# Altium PCB controller_V1.3.1.PcbDoc (part 1 of 7)
Units mm, origin at the board's own origin, x right, y up, seen from the top; angles counter-clockwise.
Board outline 244 x 150 mm, 2 copper layers (Top Layer, Bottom Layer), stack 1.98 mm thick; 438 components, 367 nets, 1493 pads, 9629 vias.
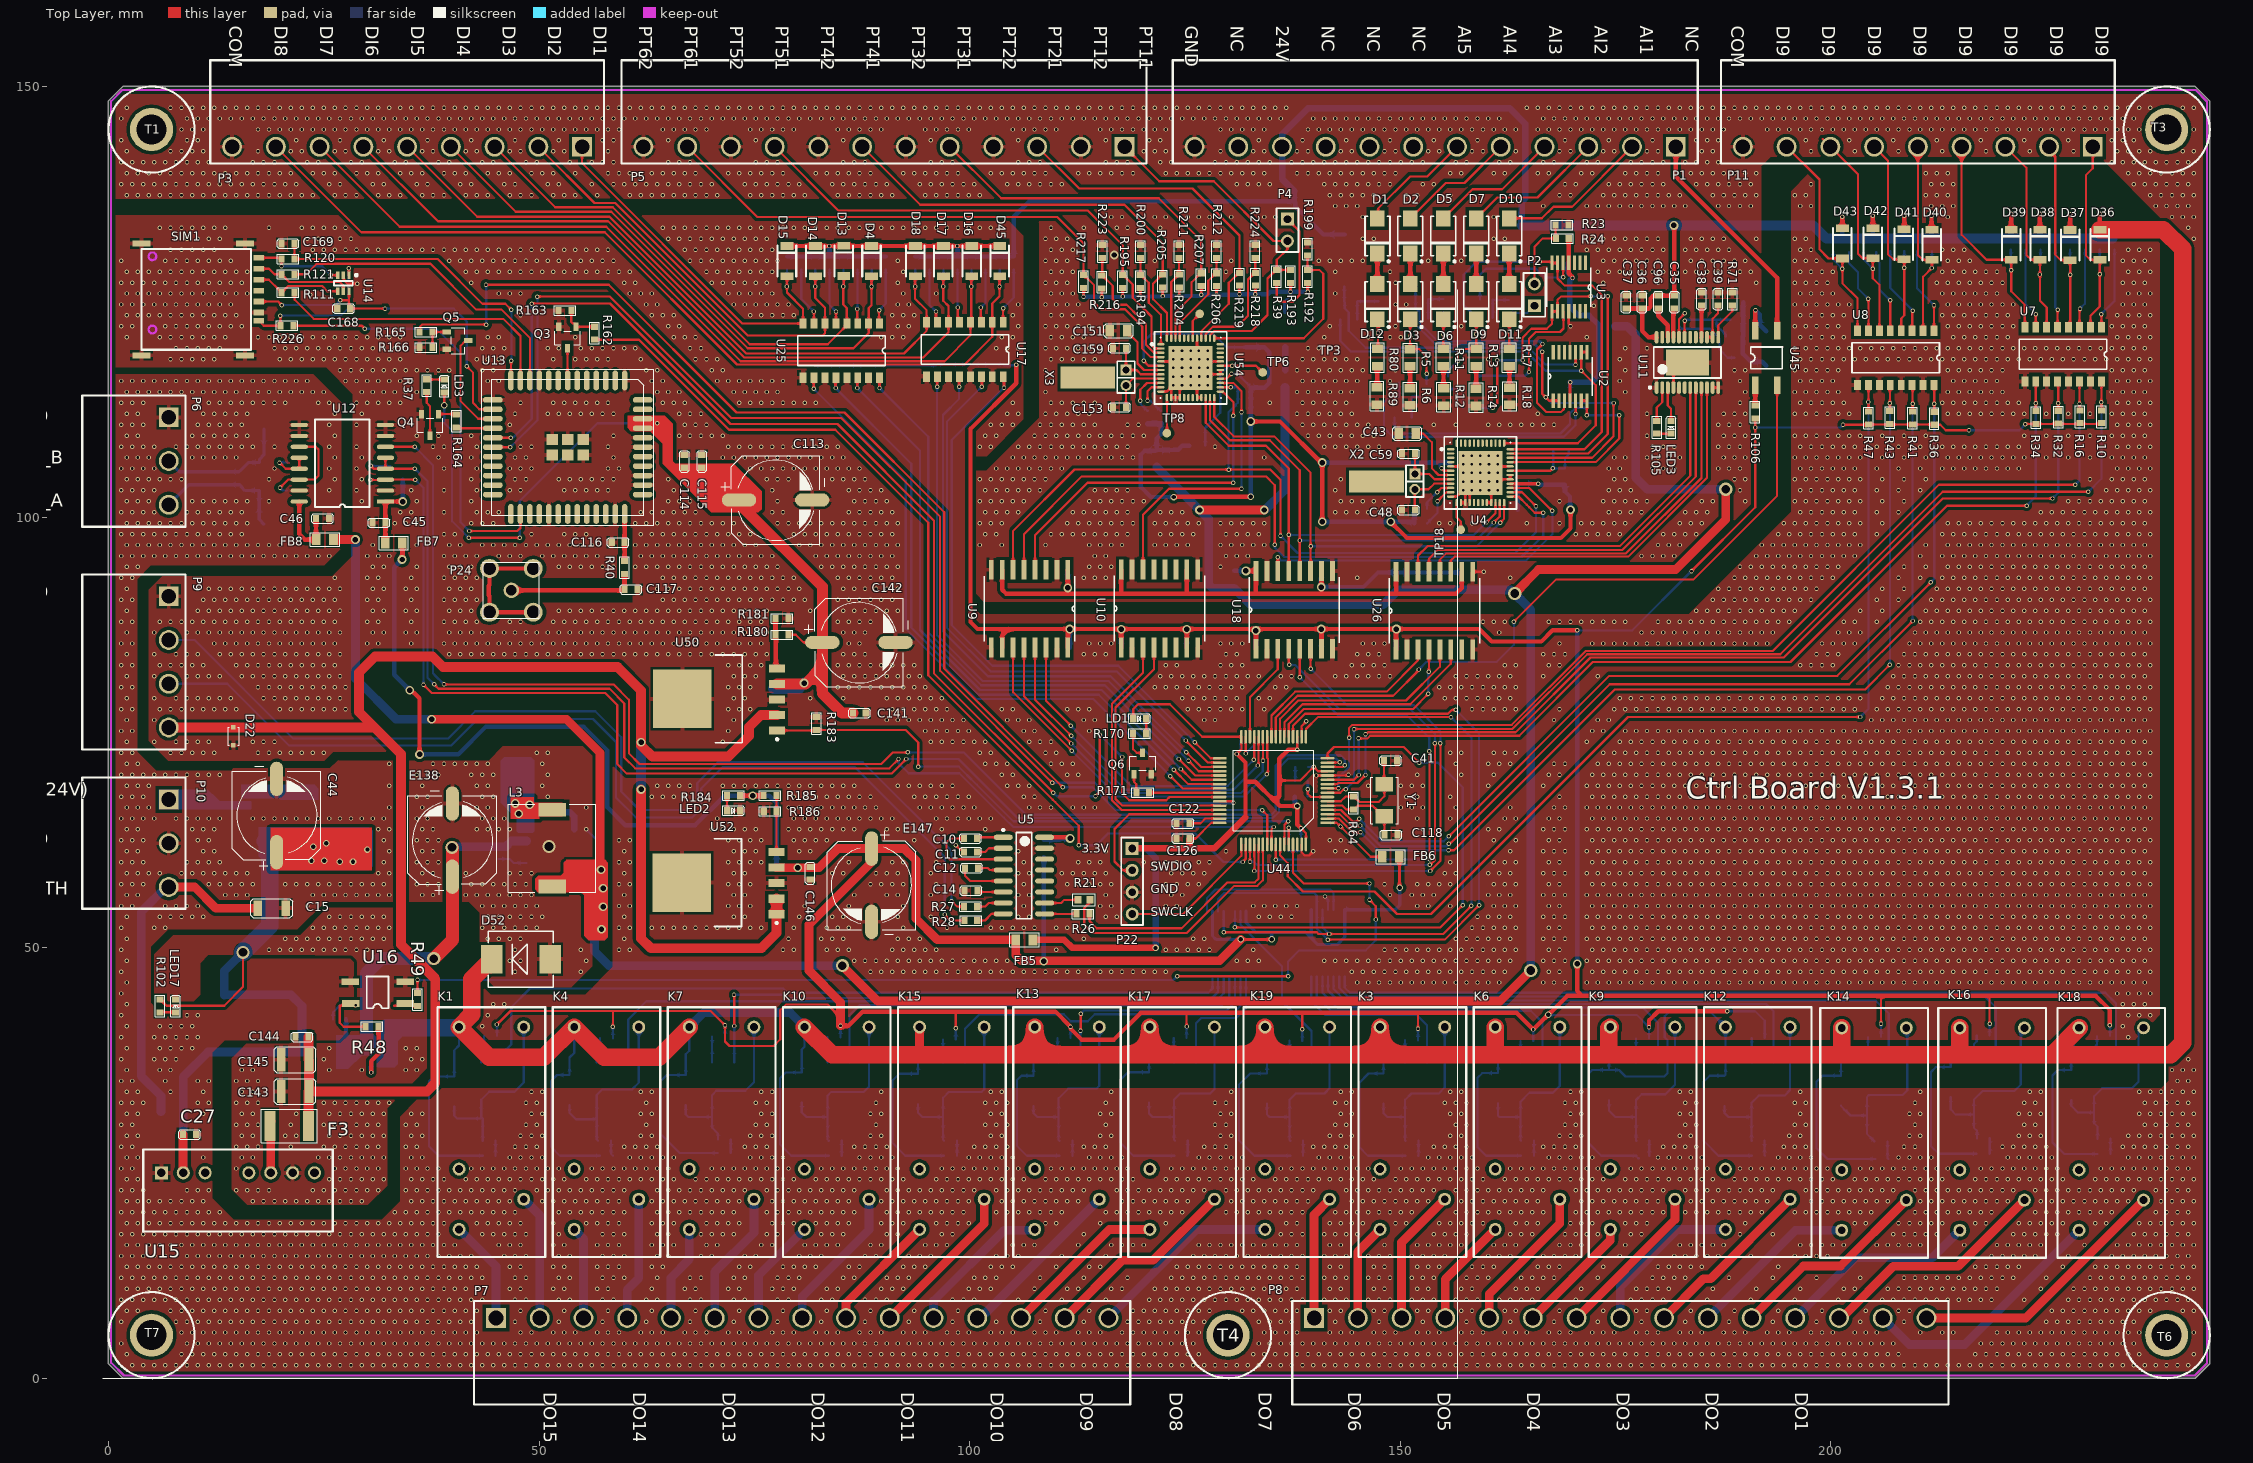
[diagram p0: Top Layer view]
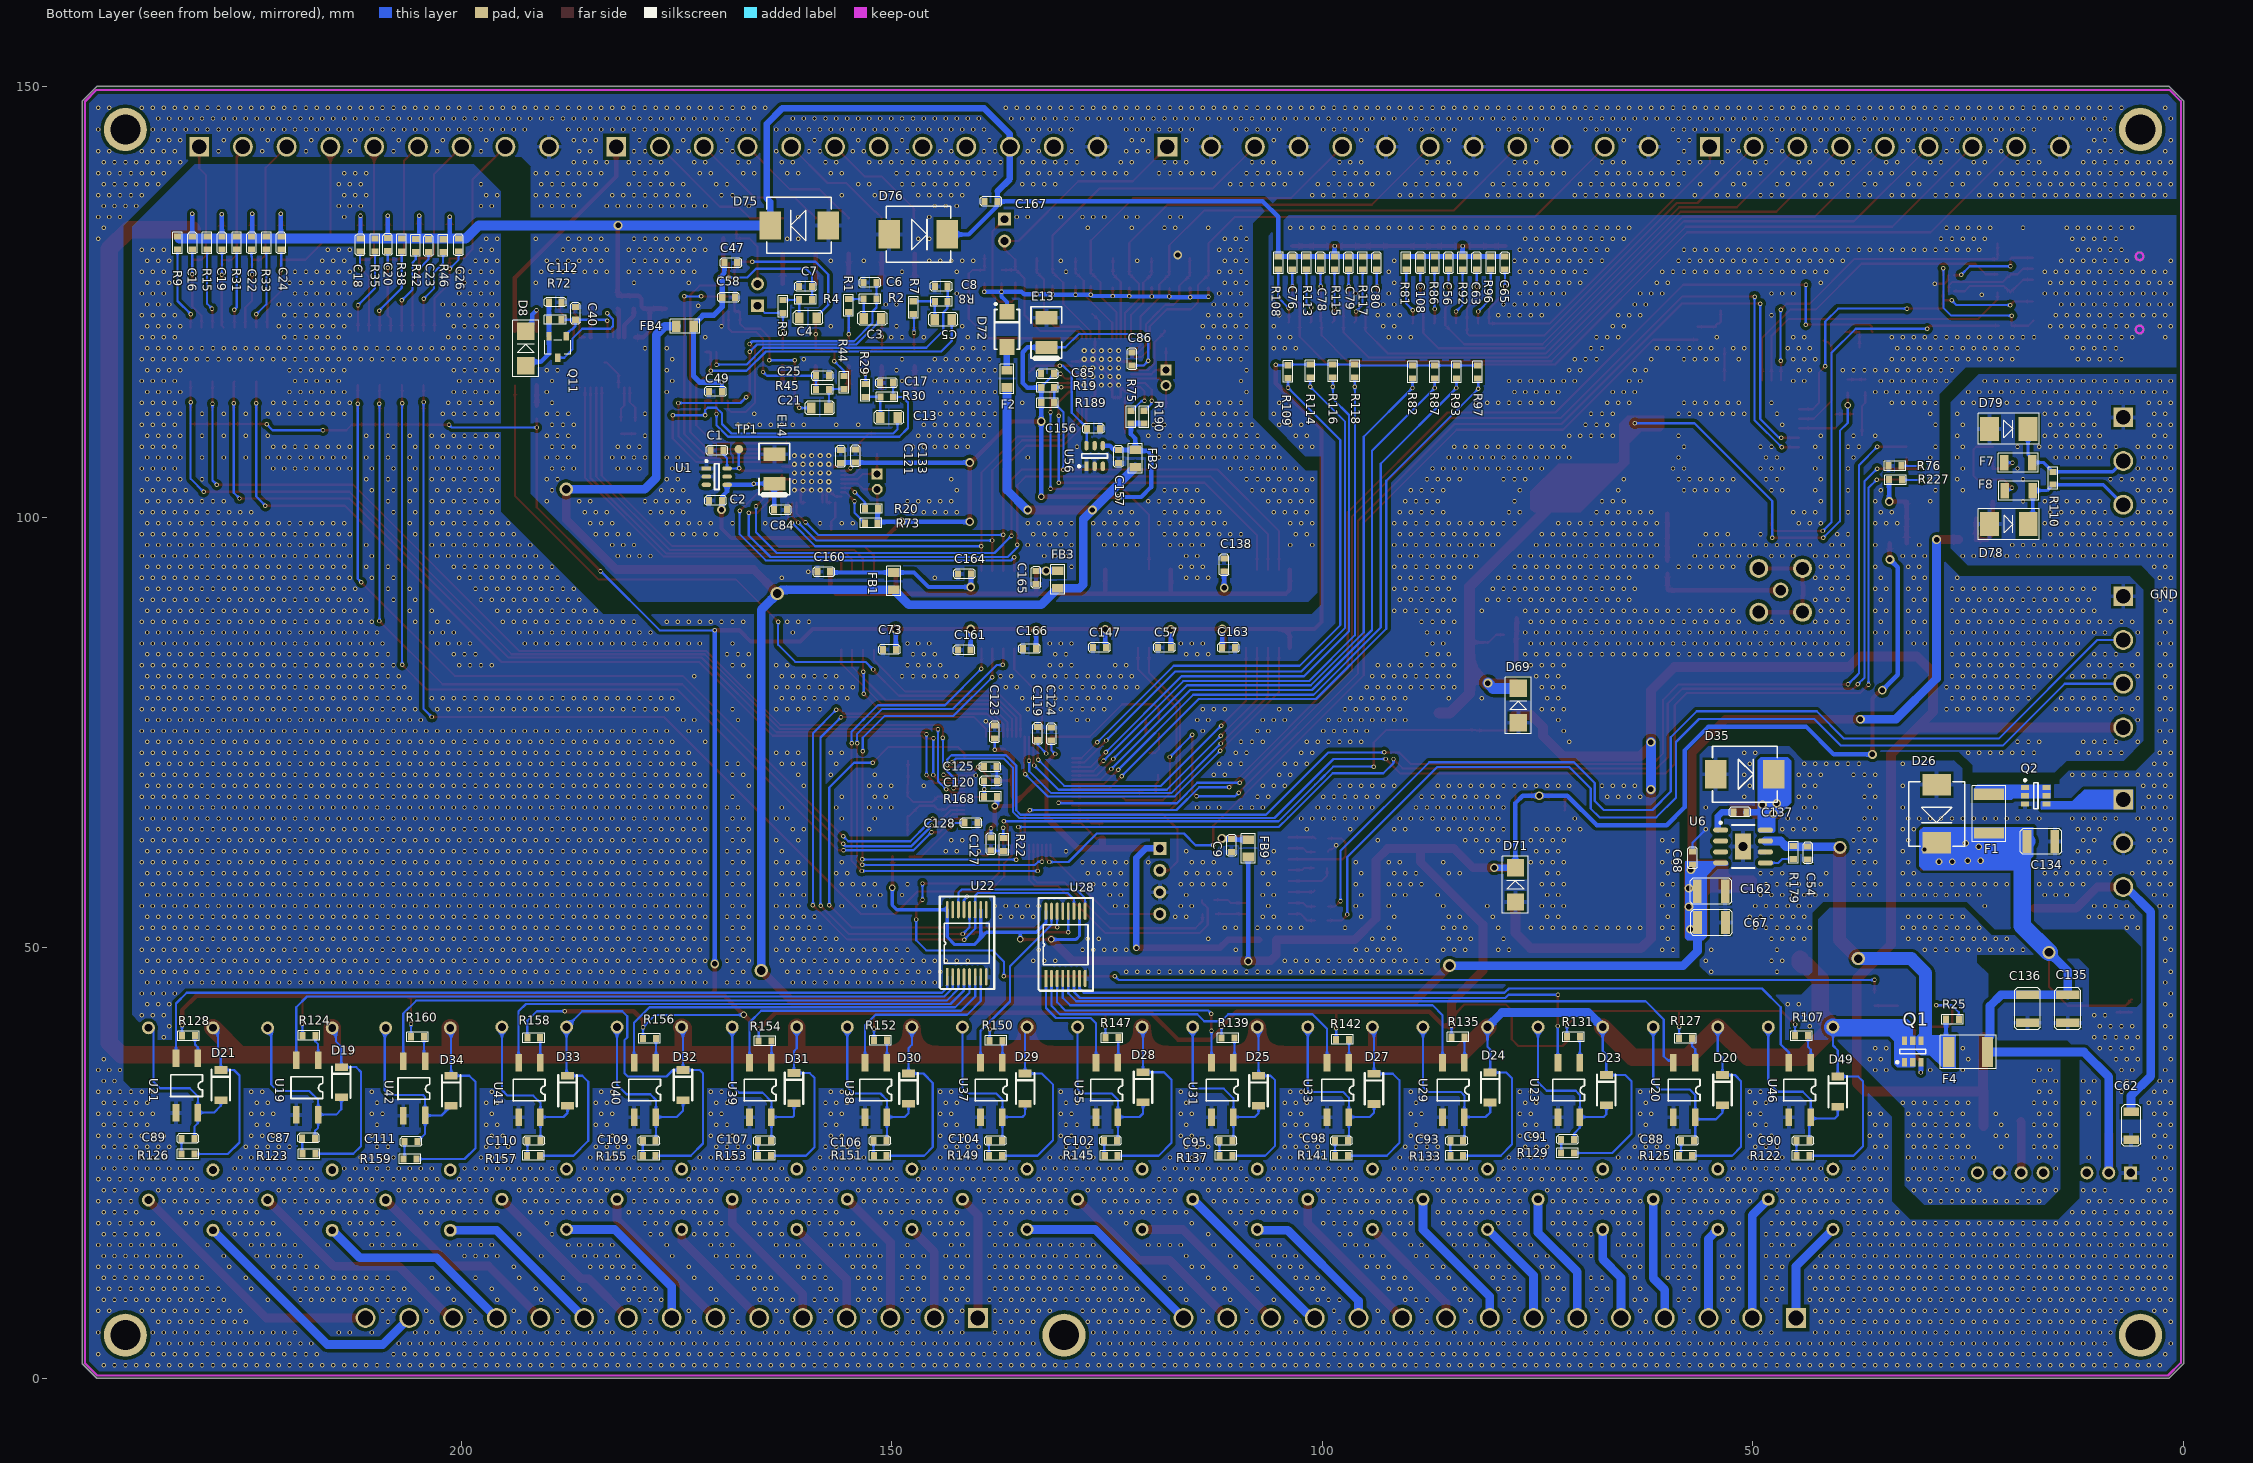
[diagram p1: Bottom Layer view, seen from below]

## Layer stack, top to bottom
Top Solder: solder mask 0.0102, Solder Resist, Dk 3.5
Top Layer: signal copper 0.0356
Dielectric1: prepreg 1.9086, FR-4, Dk 4.8
Bottom Layer: signal copper 0.0356
Bottom Solder: solder mask 0.0102, Solder Resist, Dk 3.5

## Board outline
0,1.676 0,148.336 1.664,150 242.328,150 244,148.328 244,1.684 242.316,0 1.676,0

## Design rules (kind name [scope] priority, off if disabled: settings)
Clearance [InPolygon] p1: gap=0.381 ignorepadtopadclearanceinfootprint=FALSE
Clearance Clearance_1 [All] p2: gap=0.127 ignorepadtopadclearanceinfootprint=FALSE
DiffPairsRouting [All] p1: maxlimit=0.254 minlimit=0.254 mostfreqgap=0.254 toplayer_minwidth=0.381 toplayer_maxwidth=0.381 toplayer_prefwidth=0.381 bottomlayer_minwidth=0.381 bottomlayer_maxwidth=0.381 bottomlayer_prefwidth=0.381 maxuncoupledlength=12.7
HoleToHoleClearance [All] p1: gap=0.127 allowstackedmicrovias=TRUE
MinimumSolderMaskSliver [All] p1: minsoldermaskwidth=0.127
PolygonConnect PolygonConnect_1 [IsVia] p1: connectstyle=Direct reliefconductorwidth=0.254 reliefentries=4 polygonreliefangle="90 Angle" airgapwidth=0.254
PolygonConnect [All] p2: connectstyle=Relief reliefconductorwidth=0.508 reliefentries=4 polygonreliefangle="90 Angle" airgapwidth=0.254
RoutingVias [All] p1: holewidth=0.254 width=0.508 viastyle="Through Hole" minholewidth=0.254 minwidth=0.508 maxholewidth=2.54 maxwidth=5.08
SilkToSilkClearance [All] p1: silktosilkclearance=0.127
SilkToSolderMaskClearance SilkscreenOverComponentPads [IsPad] p1: minsilkscreentomaskgap=0 clearancetoexposedcopper=TRUE
SolderMaskExpansion [All] p1: expansion=0.102 istentingtop=FALSE
Width [All] p1: maxlimit=5.08 minlimit=0.254 preferedwidth=0.254
25 further rules are at their usual default settings.

## Classes and differential pairs
net class N000-2_[0..19]: N000-2_0 N000-2_1 N000-2_2 N000-2_3 N000-2_4 N000-2_5 N000-2_6 N000-2_7 N000-2_8 N000-2_9 N000-2_10 N000-2_11 N000-2_12 N000-2_13 N000-2_14 N000-2_15 N000-2_16 N000-2_17 N000-2_18 N000-2_19
net class N000-1_[0..11]: N000-1_0 N000-1_1 N000-1_2 N000-1_3 N000-1_4 N000-1_5 N000-1_6 N000-1_7 N000-1_8 N000-1_9 N000-1_10 N000-1_11
component class do1: C87 C88 C89 C90 C91 C93 C95 C98 C102 C104 C106 C107 C109 C110 C111 D19 D20 D21 D23 D24 D25 D27 D28 D29 D30 D31 D32 D33 D34 D49 R107 R122 R123 R124 R125 R126 R127 R128 R129 R131 R133 R135 R137 R139 R141 R142 R145 R147 R149 R150 R151 R152 R153 R154 R155 R156 R157 R158 R159 R160 U19 U20 U21 U23 U29 U31 U33 U35 U37 U38 U39 U40 U41 U42 U46
component class power1: C15 C44 C54 C62 C67 C68 C134 C135 C136 C137 C162 D26 D35 E138 F1 F4 L3 LED17 P10 Q1 Q2 R25 R48 R49 R102 R179 T6 T7 U6 U16
component class relay1: K1 K3 K4 K6 K7 K9 K10 K12 K13 K15 K16 K17 K18 K19 P7 P8
component class rs232: C9 C10 C11 C12 C14 D22 FB9 P9 R21 R26 R27 R28 U5
component class rs485: C45 C46 D78 D79 F7 F8 FB7 FB8 P6 R76 R227 U12
net class DI[0..11]: DI0 DI1 DI2 DI3 DI4 DI5 DI6 DI7 DI8 DI9 DI10 DI11
net class DO[0..19]: DO0 DO1 DO2 DO3 DO4 DO5 DO6 DO7 DO8 DO9 DO10 DO11 DO12 DO13 DO14 DO15 DO16 DO17 DO18 DO19
net class DO_O[0..19]: DO_O0 DO_O1 DO_O2 DO_O3 DO_O4 DO_O5 DO_O6 DO_O7 DO_O8 DO_O9 DO_O10 DO_O11 DO_O12 DO_O13 DO_O14 DO_O15 DO_O16 DO_O17 DO_O18 DO_O19
net class N000-3_[0..19]: N000-3_0 N000-3_1 N000-3_2 N000-3_3 N000-3_4 N000-3_5 N000-3_6 N000-3_7 N000-3_8 N000-3_9 N000-3_10 N000-3_11 N000-3_12 N000-3_13 N000-3_14 N000-3_15 N000-3_16 N000-3_17 N000-3_18 N000-3_19
component class ai: C1 C2 C3 C4 C5 C6 C7 C8 C13 C17 C21 C25 C43 C47 C48 C49 C58 C59 C84 C85 C86 C121 C133 C138 C147 C160 C161 C163 C164 D1 D2 D3 D5 D6 D7 D9 D10 D11 D12 D52 E13 E14 FB1 FB2 FB4 P1 P2 R1 R2 R3 R4 R5 R6 R7 R8 R11 R12 R13 R14 R17 R18 R19 R20 R23 R24 R29 R30 R44 R45 R73 R80 R89 TP1 TP18 U1 U2 U3 U4 U9 U10 U18 X2
component class ao: C35 C36 C37 C38 C39 C40 C112 C165 C166 C167 D8 D75 FB3 LED3 Q11 R71 R72 R105 R106 U11 U26 U45
component class di: C16 C18 C19 C20 C22 C23 C24 C26 C56 C63 C65 C76 C78 C79 C80 C108 D4 D13 D14 D15 D16 D17 D18 D36 D37 D38 D39 D40 D41 D42 D43 D45 D76 P3 P11 R9 R10 R15 R16 R31 R32 R33 R34 R35 R36 R38 R41 R42 R43 R46 R47 R81 R82 R86 R87 R92 R93 R96 R97 R108 R109 R113 R114 R115 R116 R117 R118 U7 U8 U17 U25
component class IO_ctrl: C57 C73 U22 U28
component class LTE: C113 C114 C115 C116 C117 C168 C169 LD3 P24 Q3 Q4 Q5 R37 R40 R111 R120 R121 R162 R163 R164 R165 R166 R226 SIM1 U13 U14
component class mcu: C41 C118 C119 C120 C122 C123 C124 C125 C126 C127 C128 FB5 FB6 LD1 P22 Q6 R22 R64 R168 R170 R171 U44 Y1
component class power: C27 C141 C142 C143 C144 C145 C146 D69 D71 E147 F3 LED2 R180 R181 R183 R184 R185 R186 T1 T3 T4 U15 U50 U52
component class pt100: C151 C153 C156 C157 C159 D72 F2 P4 P5 R39 R75 R189 R190 R192 R193 R194 R195 R199 R200 R204 R205 R206 R207 R211 R212 R216 R217 R218 R219 R223 R224 TP3 TP6 TP8 U54 U56 X3
differential pair MB_RX1: +MB_RX1_P -MB_RX1_N

## Components (designator, comment, footprint, x,y, rotation, side; value= is the part's Value field where it differs from the comment)
C1 "1uF" 0603C 169.563,107.747 r0 bottom
C2 "0.1uF" 0603C 171.214,101.905 r180 bottom
C3 "220nF" 0805C 153.238,123.063 r180 bottom
C4 "220nF" 0805C 160.726,123.129 r180 bottom
C5 "220nF" 0805C 145.029,122.951 r180 bottom
C6 "0.1uF" 0603C 153.288,127.231 r180 bottom
C7 "0.1uF" 0603C 160.752,126.771 r180 bottom
C8 "0.1uF" 0603C 145.005,126.787 r180 bottom
C9 "0.1uF" 0603C 110.541,62.611 r270 bottom value=0.1uF/50V
C10 "0.1uF" 0603C 100.834,62.687 r180 top value=0.1uF/50V
C11 "0.1uF" 0603C 100.86,61.112 r180 top value=0.1uF/50V
C12 "0.1uF" 0603C 100.963,59.233 r180 top value=0.1uF/50V
C13 "220nF" 0805C 151.328,111.572 r180 bottom
C14 "0.1uF" 0603C 100.91,56.617 r180 top value=0.1uF/50V
C15 "1nF/2kV" 1206C 20.573,54.585 r180 top
C16 "10nF/50V" 0603C 231.223,132.564 r270 bottom value=22nF
C17 "0.1uF" 0603C 151.353,115.585 r180 bottom
C18 "10nF/50V" 0603C 211.734,132.359 r270 bottom value=22nF
C19 "10nF/50V" 0603C 227.784,132.564 r270 bottom value=22nF
C20 "10nF/50V" 0603C 208.534,132.386 r270 bottom value=22nF
C21 "220nF" 0805C 157.353,112.674 r0 bottom
C22 "10nF/50V" 0603C 224.344,132.564 r270 bottom value=22nF
C23 "10nF/50V" 0603C 203.801,132.259 r270 bottom value=22nF
C24 "10nF/50V" 0603C 220.904,132.564 r270 bottom value=22nF
C25 "0.1uF" 0603C 157.296,116.398 r0 bottom
C26 "10nF/50V" 0603C 200.296,132.335 r270 bottom value=22nF
C27 "1uF" 0603C 10.16,28.296 r180 top
C35 "0.01uF" 0603C 181.827,124.205 r90 top
C36 "0.01uF" 0603C 178.101,125.705 r270 top
C37 "0.1uF" 0603C 176.239,125.705 r270 top
C38 "0.1uF" 0603C 185.002,124.562 r90 top
C39 "0.1uF" 0603C 186.907,124.562 r90 top
C40 "0.1uF" 0603C 186.729,124.413 r270 bottom
C41 "20p" 0603c 149.628,71.704 r180 top
C43 "22nF" 0805C 151.82,109.703 r180 top
C44 "220uF/50V" Φ10×10 19.529,65.337 r180 top
C45 "0.1uF" 0603C 30.656,99.339 r0 top
C46 "0.1uF" 0603C 25.603,99.822 r180 top
C47 "0.1uF" 0603C 167.945,129.515 r0 bottom
C48 "4.7pF" 0603C 151.693,100.813 r180 top
C49 "0.1uF" 0603C 171.221,114.579 r180 bottom
C54 "1uF" 0603C 43.633,60.222 r90 bottom
C56 "10nF/50V" 0603C 85.352,130.254 r270 bottom value=22nF
C57 "0.1uF" 0603C 117.598,84.859 r0 bottom
C58 "0.1uF" 0603C 168.185,125.514 r0 bottom
C59 "4.7pF" 0603C 151.718,107.351 r180 top value=6.8pF
C62 "1nF/2kV" 1206C 6.096,27.711 r90 bottom
C63 "10nF/50V" 0603C 82.079,130.254 r270 bottom value=22nF
C65 "10nF/50V" 0603C 78.806,130.254 r270 bottom value=22nF
C67 "22uF/10V" 1210C 56.435,52.908 r180 bottom
C68 "0.1uF" 0603C 57.019,59.663 r90 bottom
C73 "0.1uF" 0603C 149.526,84.604 r0 bottom
C76 "10nF/50V" 0603C 103.488,130.254 r270 bottom value=22nF
C78 "10nF/50V" 0603C 100.222,130.254 r270 bottom value=22nF
C79 "10nF/50V" 0603C 96.956,130.254 r270 bottom value=22nF
C80 "10nF/50V" 0603C 93.691,130.254 r270 bottom value=22nF
C84 "0.01uF" 0603C 162.154,100.838 r0 bottom
C85 "0.1uF" 0603C 132.686,116.637 r180 bottom
C86 "0.1uF" 0603C 122.102,119.101 r270 bottom
C87 "0.1uF" 0603C 216.967,27.868 r0 bottom
C88 "0.1uF" 0603C 56.85,27.576 r0 bottom
C89 "0.1uF" 0603C 230.988,27.817 r0 bottom
C90 "0.1uF" 0603C 43.454,27.576 r0 bottom
C91 "0.1uF" 0603C 70.764,27.711 r0 bottom
C93 "0.1uF" 0603C 83.643,27.576 r0 bottom
C95 "0.1uF" 0603C 110.435,27.576 r0 bottom
C96 "0.01uF" 0603C 179.964,124.205 r90 top
C98 "0.1uF" 0603C 97.039,27.576 r0 bottom
C102 "0.1uF" 0603C 123.832,27.576 r0 bottom
C104 "0.1uF" 0603C 137.228,27.576 r0 bottom
C106 "0.1uF" 0603C 150.624,27.576 r0 bottom
C107 "0.1uF" 0603C 164.02,27.576 r0 bottom
C108 "10nF/50V" 0603C 88.625,130.254 r270 bottom value=22nF
C109 "0.1uF" 0603C 177.417,27.576 r0 bottom
C110 "0.1uF" 0603C 190.813,27.576 r0 bottom
C111 "0.1uF" 0603C 205.078,27.487 r0 bottom
C112 "0.01uF" 0603C 188.328,124.943 r0 bottom
C113 "220uF/50V" Φ10×10 77.47,101.981 r90 top value=100pF
C114 "100nF/50V" 0603C 66.869,107.227 r270 top value=22nF
C115 "33pF/50V" 0603C 68.901,107.227 r270 top value=22nF
C116 "NC" 0603c 59.94,97.064 r180 top value=22nF
C117 "NC" 0603c 59.917,91.603 r0 top value=22nF
C118 "20p" 0603c 149.657,63.094 r180 top
C119 "2.2uF/50V" 0603C 133.053,75.604 r270 bottom value=22nF
C120 "0.1uF/50V" 0603C 137.766,69.342 r0 bottom value=22nF
C121 "0.1uF" 0603C 155.931,107.772 r270 bottom
C122 "2.2uF/50V" 0603C 124.028,64.44 r0 top value=22nF
C123 "0.1uF/50V" 0603C 138.045,75.768 r270 bottom value=22nF
C124 "0.1uF/50V" 0603C 131.467,75.54 r270 bottom value=22nF
C125 "0.1uF/50V" 0603C 137.819,70.993 r0 bottom value=22nF
C126 "0.1uF/50V" 0603C 124.028,62.662 r0 top value=22nF
C127 "0.1uF/50V" 0603C 138.481,61.29 r90 bottom value=22nF
C128 "0.1uF/50V" 0603C 140.029,64.491 r0 bottom value=22nF
C133 "0.1uF" 0603C 154.229,107.823 r270 bottom
C134 "1uF/50V" 1210C 14.931,62.332 r0 bottom value=22nF
C135 "4.7uF/50V" 1210C 13.449,41.264 r90 bottom value=22nF
C136 "10uF/50V" 1210C 18.11,41.275 r90 bottom value=22nF
C137 "0.01uF" 0603C 50.773,65.735 r0 bottom
C138 "0.1uF" 0603C 111.404,95.174 r270 bottom
C141 "0.1uF/50V" 0603C 87.935,77.241 r180 top value=22nF
C142 "470uF/50V" Φ10×10 87.147,85.446 r90 top value=100pF
C143 "22uF/10V" 1210C 23.291,33.299 r180 top
C144 "0.1uF" 0603C 23.241,39.649 r180 top
C145 "22uF/10V" 1210C 23.292,36.982 r180 top
C146 "0.1uF/50V" 0603C 81.483,57.887 r90 top value=22nF
C147 "0.1uF" 0603C 126.641,84.861 r180 bottom
C151 "22nF" 0805C 118.292,121.641 r180 top
C153 "4.7pF" 0603C 118.165,112.751 r180 top
C156 "1uF" 0603C 127.334,110.272 r180 bottom
C157 "0.1uF" 0603C 123.677,106.26 r90 bottom
C159 "4.7pF" 0603C 118.165,119.609 r180 top value=6.8pF
C160 "0.1uF" 0603C 158.646,93.646 r180 bottom
C161 "0.1uF" 0603C 142.338,84.557 r180 bottom
C162 "22uF/10V" 1210C 56.486,56.54 r180 bottom
C163 "0.1uF" 0603C 110.131,84.833 r0 bottom
C164 "0.1uF" 0603C 142.316,93.396 r180 bottom
C165 "0.1uF" 0603C 133.248,92.253 r90 bottom
C166 "0.1uF" 0603C 134.745,84.706 r180 bottom
C167 "0.1uF" 0603C 139.217,136.652 r180 bottom
C168 "0.1uF/10V" 0603c 26.567,124.206 r0 top
C169 "0.1uF/10V" 0603c 21.589,131.75 r180 top
D1 "SS14" DO-214AC 147.353,132.639 r270 top
D2 "SS14" DO-214AC 151.179,132.639 r270 top
D3 "SS14" DO-214AC 151.179,125.019 r270 top
D4 "LL4148" DO-213AB/LL34/MiniMELF 88.611,129.721 r270 top
D5 "SS14" DO-214AC 155.005,132.639 r270 top
D6 "SS14" DO-214AC 155.005,125.019 r270 top
D7 "SS14" DO-214AC 158.83,132.639 r270 top
D8 "SS36" sma 192.495,117.577 r90 bottom
D9 "SS14" DO-214AC 158.83,125.019 r270 top
D10 "SS14" DO-214AC 162.656,132.639 r270 top
D11 "SS14" DO-214AC 162.656,125.019 r270 top
D12 "SS14" DO-214AC 147.353,125.019 r270 top
D13 "LL4148" DO-213AB/LL34/MiniMELF 85.385,129.746 r270 top
D14 "LL4148" DO-213AB/LL34/MiniMELF 82.083,129.721 r270 top
D15 "LL4148" DO-213AB/LL34/MiniMELF 78.781,129.721 r270 top
D16 "LL4148" DO-213AB/LL34/MiniMELF 100.244,129.721 r270 top
D17 "LL4148" DO-213AB/LL34/MiniMELF 96.942,129.721 r270 top
D18 "LL4148" DO-213AB/LL34/MiniMELF 93.691,129.721 r270 top
D19 "LL4148" DO-213AB/LL34/MiniMELF 213.919,34.373 r270 bottom
D20 "LL4148" DO-213AB/LL34/MiniMELF 53.539,33.452 r270 bottom
D21 "LL4148" DO-213AB/LL34/MiniMELF 227.914,34.04 r270 bottom
D22 "CESDB5V0D5" sod323 14.503,73.508 r90 top
D23 "LL4148" DO-213AB/LL34/MiniMELF 67.027,33.452 r270 bottom
D24 "LL4148" DO-213AB/LL34/MiniMELF 80.514,33.757 r270 bottom
D25 "LL4148" DO-213AB/LL34/MiniMELF 107.413,33.376 r270 bottom
D26 "SMCJ30CA" SMC 28.673,68.929 r270 bottom
D27 "LL4148" DO-213AB/LL34/MiniMELF 94.002,33.604 r270 bottom
D28 "LL4148" DO-213AB/LL34/MiniMELF 120.824,33.782 r270 bottom
D29 "LL4148" DO-213AB/LL34/MiniMELF 134.515,33.63 r270 bottom
D30 "LL4148" DO-213AB/LL34/MiniMELF 148.053,33.63 r270 bottom
D31 "LL4148" DO-213AB/LL34/MiniMELF 161.362,33.68 r270 bottom
D32 "LL4148" DO-213AB/LL34/MiniMELF 174.24,34.036 r270 bottom
D33 "LL4148" DO-213AB/LL34/MiniMELF 187.651,33.376 r270 bottom
D34 "LL4148" DO-213AB/LL34/MiniMELF 201.168,33.382 r270 bottom
D35 "SS54" SMC 54.346,70.129 r180 bottom
D36 "LL4148" DO-213AB/LL34/MiniMELF 231.242,131.623 r270 top
D37 "LL4148" DO-213AB/LL34/MiniMELF 227.796,131.584 r270 top
D38 "LL4148" DO-213AB/LL34/MiniMELF 224.282,131.623 r270 top
D39 "LL4148" DO-213AB/LL34/MiniMELF 220.955,131.623 r270 top
D40 "LL4148" DO-213AB/LL34/MiniMELF 211.734,131.623 r270 top
D41 "LL4148" DO-213AB/LL34/MiniMELF 208.483,131.674 r270 top
D42 "LL4148" DO-213AB/LL34/MiniMELF 204.876,131.801 r270 top
D43 "LL4148" DO-213AB/LL34/MiniMELF 201.346,131.775 r270 top
D45 "LL4148" DO-213AB/LL34/MiniMELF 103.495,129.721 r270 top
D49 "LL4148" DO-213AB/LL34/MiniMELF 40.154,33.274 r270 bottom
D52 "SMCJ36CA" SMC 51.276,48.666 r180 top
D69 "5.1V" SMA 77.241,76.112 r90 bottom
D71 "5.1V" SMA 77.585,55.287 r90 bottom
D72 "SS14" DO-214AC 136.627,121.793 r90 bottom
D75 "SMCJ36CA" SMC 157.356,133.86 r0 bottom
D76 "SMCJ36CA" smc 150.311,132.817 r180 bottom
D78 "SMBJ6.5A" SMB 22.53,99.187 r180 bottom
D79 "SMBJ6.5A" SMB 22.551,110.236 r180 bottom
E13 "10uF/16V" C3528 132.051,119.71 r90 bottom
E14 "10uF/16V" C3528 163.631,103.861 r90 bottom
E138 "100uF/50V" Φ10×10 39.929,62.484 r180 top value=100pF
E147 "47uF/50V" Φ10×10 88.617,57.252 r0 top value=100pF
F1 "1.5A" 1812-F 22.606,67.818 r270 bottom
F2 "1A" 0805r 136.627,115.043 r90 bottom
F3 "3A" 1812-F 18.741,29.286 r0 top
F4 "1A" 1812-F 22.754,37.871 r0 bottom
F7 "SMD1210P020TS" 1206R 20.799,106.324 r180 bottom
F8 "SMD1210P020TS" 1206R 20.747,103.073 r180 bottom
FB1 "JWWBW2012 M600HT" 0805R 149.78,91.567 r90 bottom
FB2 "JWWBW2012 M600HT" 0805R 121.721,105.802 r90 bottom
FB3 "JWWBW2012 M600HT" 0805R 130.73,91.745 r90 bottom
FB4 "JWWBW2012 M600HT" 0805R 175.006,122.149 r180 bottom
FB5 "JWWBW2012 M600HT" 0805R 105.359,50.902 r0 top
FB6 "JWWBW2012 M600HT" 0805R 149.907,60.554 r180 top
FB7 "JWWBW2012 M600HT" 0805CZ 32.131,96.977 r0 top
FB8 "JWWBW2012 M600HT" 0805CZ 24.13,97.384 r0 top
FB9 "JWWBW2012 M600HT" 0805R 108.61,60.528 r90 bottom
K1 "G2RL-1-H" G2RL-1-H 48.212,40.782 r270 top locked
K3 "G2RL-1-H" G2RL-1-H 155.164,40.782 r270 top locked
K4 "G2RL-1-H" G2RL-1-H 61.581,40.782 r270 top locked
K6 "G2RL-1-H" G2RL-1-H 168.533,40.782 r270 top locked
K7 "G2RL-1-H" G2RL-1-H 74.95,40.782 r270 top locked
K9 "G2RL-1-H" G2RL-1-H 181.902,40.782 r270 top locked
K10 "G2RL-1-H" G2RL-1-H 88.319,40.782 r270 top locked
K12 "G2RL-1-H" G2RL-1-H 195.271,40.782 r270 top locked
K13 "G2RL-1-H" G2RL-1-H 115.057,40.782 r270 top locked
K14 "G2RL-1-H" G2RL-1-H 208.77,40.681 r270 top locked
K15 "G2RL-1-H" G2RL-1-H 101.688,40.782 r270 top locked
K16 "G2RL-1-H" G2RL-1-H 222.479,40.681 r270 top locked